# KiCad board AmigaPCI 68040.kicad_pcb
title: AmigaPCI-040 Local Bus Card; date: 2025-04-03; rev: 4.2
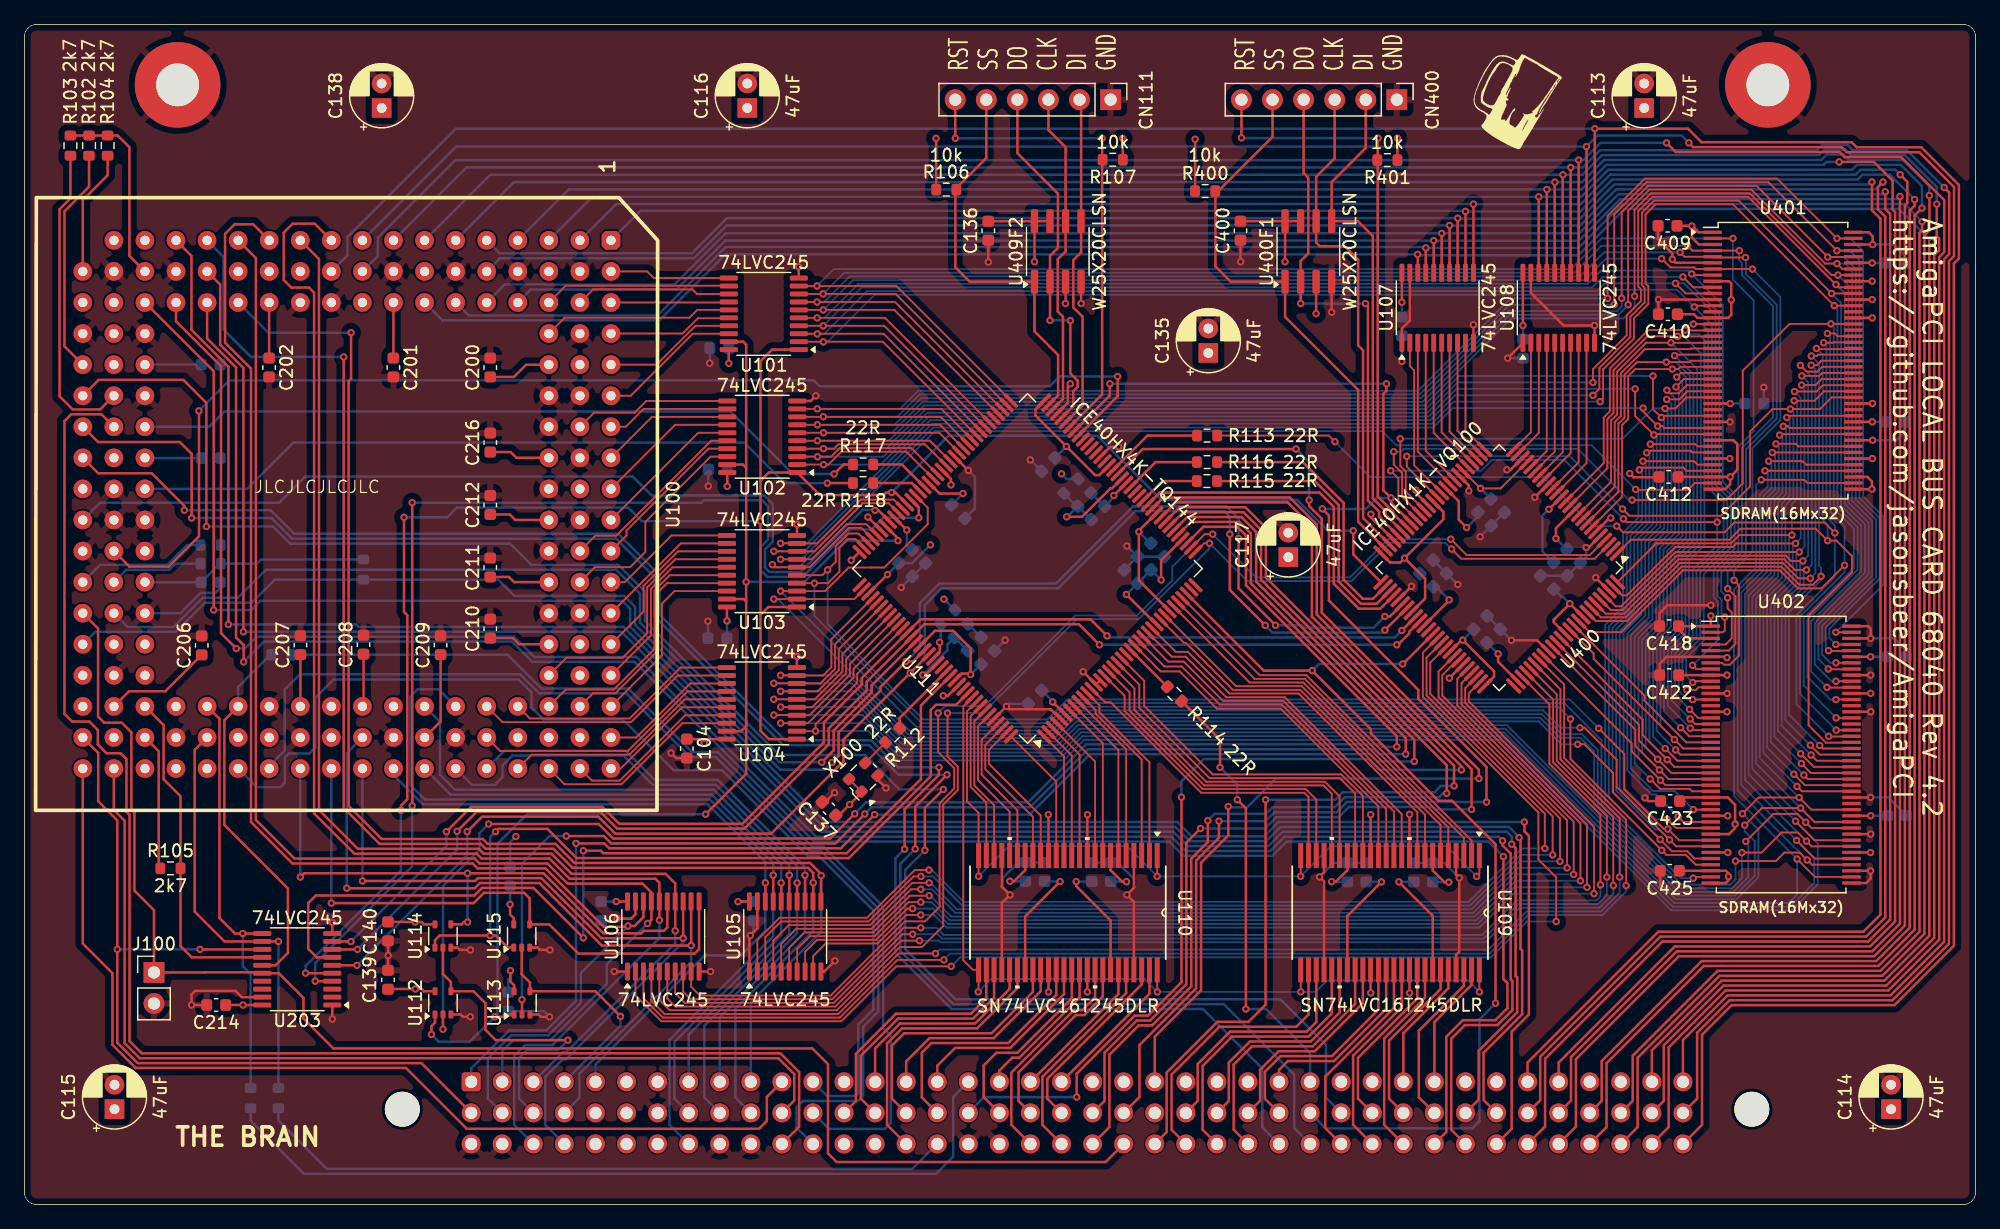
[diagram p0: board, top side]
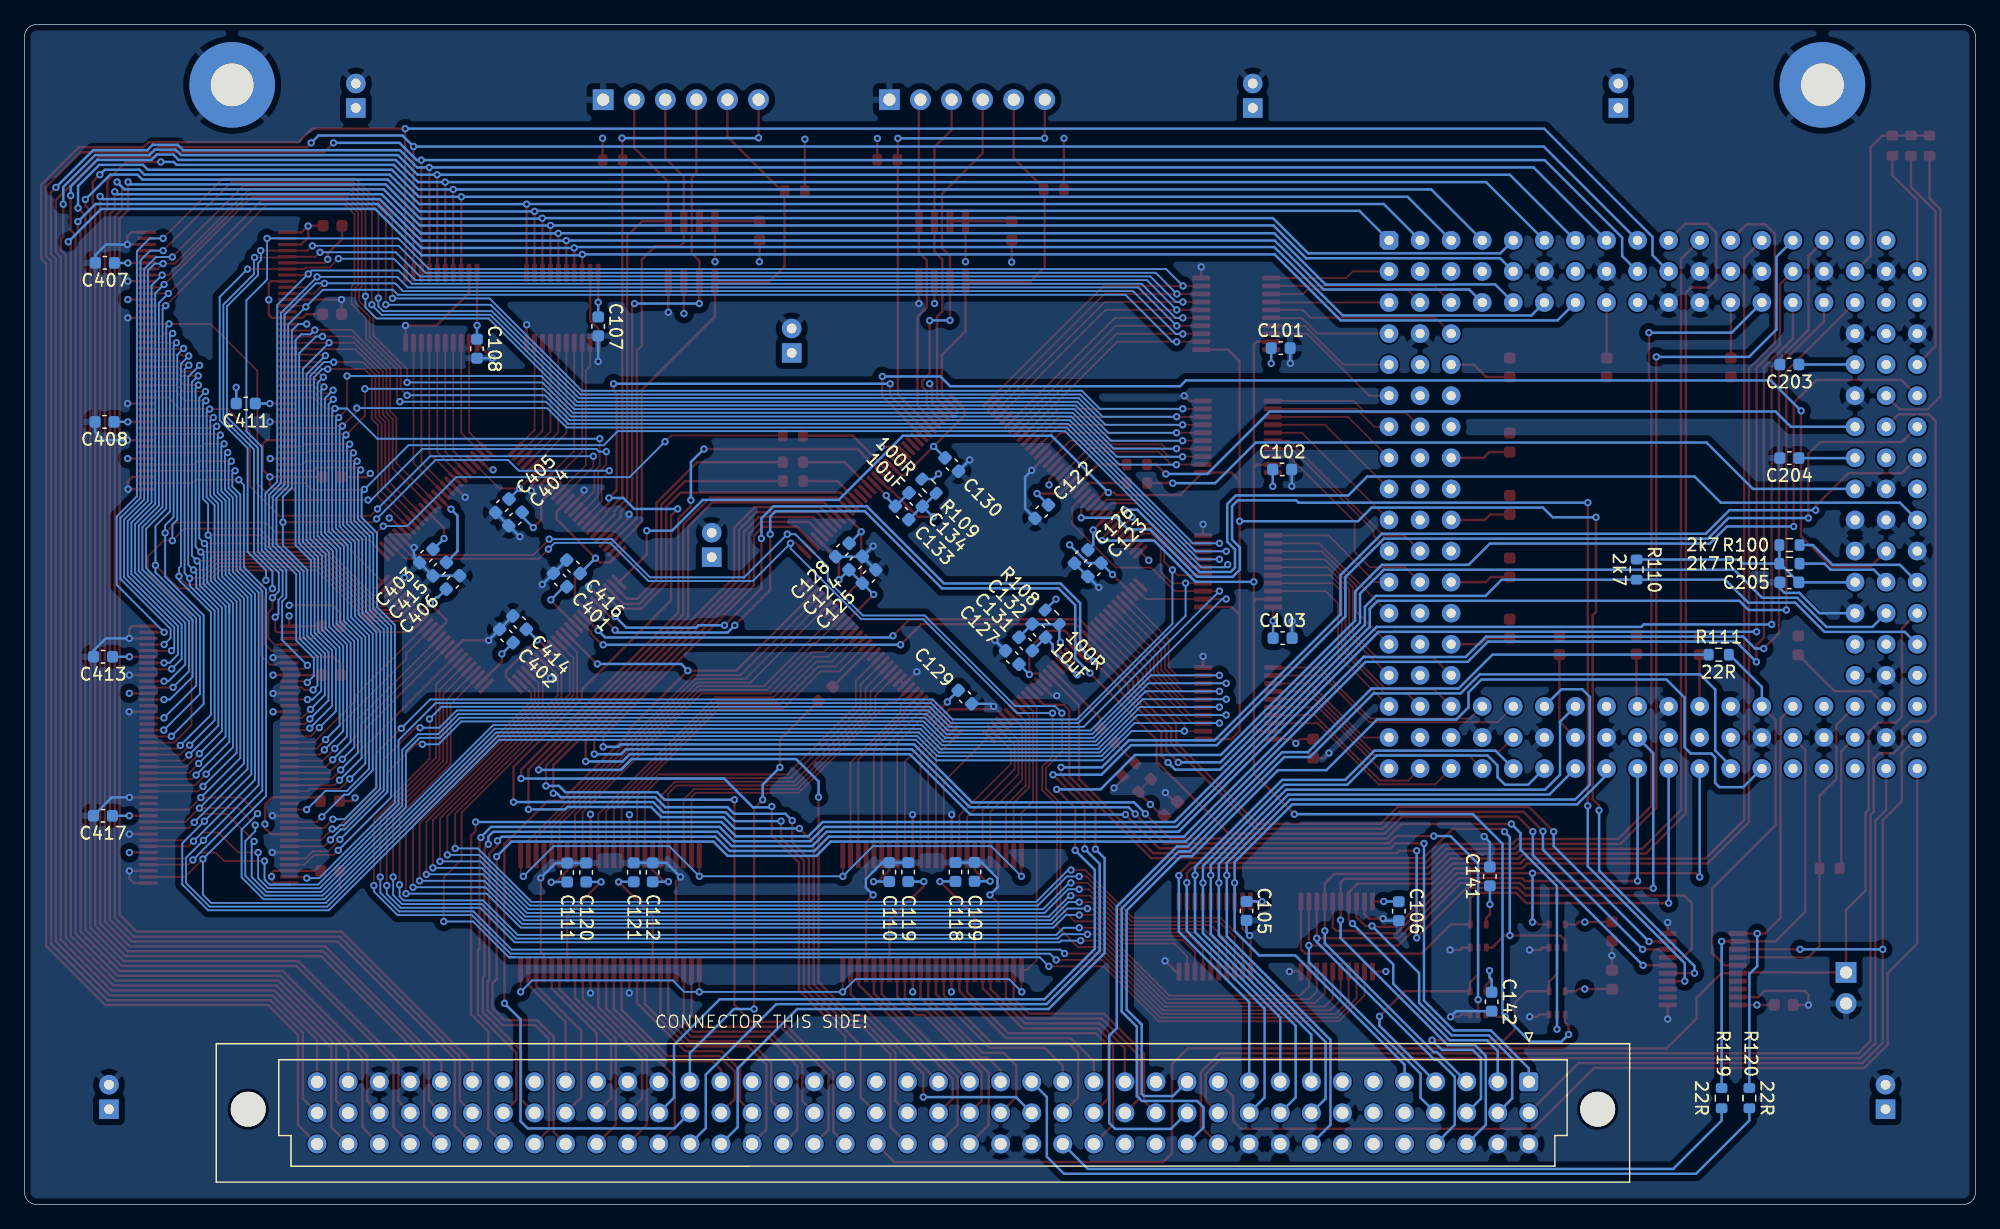
[diagram p1: board, bottom side, seen from below]

Outline 159.5 x 96.47 mm; copper layers: Top, In1.Cu, In2.Cu, In3.Cu, In4.Cu, Bottom. Coordinates in mm from the lower left corner of the outline.
Outline path: 0,0.99 0,95.47 arc(0.29,96.18) 0.99,96.47 158.5,96.47 arc(159.2,96.18) 159.5,95.48 159.5,1 arc(159.21,0.3) 158.5,0 1,0 arc(0.29,0.29) 0,0.99
Stack: Top 0.035mm / dielectric 0.1mm FR4 er 4.5 / In1.Cu 0.035mm / dielectric 0.535mm FR4 er 4.5 / In2.Cu 0.035mm / dielectric 0.1mm FR4 er 4.5 / In3.Cu 0.035mm / dielectric 0.535mm FR4 er 4.5 / In4.Cu 0.035mm / dielectric 0.1mm FR4 er 4.5 / Bottom 0.035mm

## Placement (name value [footprint] x y rotation side)
C101  0.1uF  [C_0603_1608Metric]  56.8 70.01 180 bottom
C102  0.1uF  [C_0603_1608Metric]  56.68 60.09 180 bottom
C103  0.1uF  [C_0603_1608Metric]  56.65 46.3 180 bottom
C104  0.1uF  [C_0603_1608Metric]  54.15 37.27 270 top
C105  0.1uF  [C_0603_1608Metric]  59.6 24 270 bottom
C106  0.1uF  [C_0603_1608Metric]  47.15 23.98 270 bottom
C107  0.1uF  [C_0603_1608Metric]  112.6 71.79 270 bottom
C108  0.1uF  [C_0603_1608Metric]  122.51 69.96 270 bottom
C109  0.1uF  [C_0603_1608Metric]  81.83 27.2 90 bottom
C110  0.1uF  [C_0603_1608Metric]  88.8 27.18 90 bottom
C111  0.1uF  [C_0603_1608Metric]  115.13 27.14 90 bottom
C112  0.1uF  [C_0603_1608Metric]  108.15 27.16 90 bottom
C113  47uF  [CP_Radial_D5.0mm_P2.00mm]  132.41 89.64 90 top
C114  47uF  [CP_Radial_D5.0mm_P2.00mm]  152.59 7.79 90 top
C115  47uF  [CP_Radial_D5.0mm_P2.00mm]  7.36 7.79 90 top
C116  47uF  [CP_Radial_D5.0mm_P2.00mm]  59.09 89.64 90 top
C117  47uF  [CP_Radial_D5.0mm_P2.00mm]  103.32 52.92 90 top
C118  0.1uF  [C_0603_1608Metric]  83.39 27.19 90 bottom
C119  0.1uF  [C_0603_1608Metric]  87.26 27.18 90 bottom
C120  0.1uF  [C_0603_1608Metric]  113.58 27.15 90 bottom
C121  0.1uF  [C_0603_1608Metric]  109.69 27.16 90 bottom
C122  0.1uF  [C_0603_1608Metric]  76.34 56.64 315 bottom
C123  0.1uF  [C_0603_1608Metric]  72.03 51.89 315 bottom
C124  0.1uF  [C_0603_1608Metric]  91.55 52.43 135 bottom
C125  0.1uF  [C_0603_1608Metric]  90.46 51.33 135 bottom
C126  0.1uF  [C_0603_1608Metric]  73.11 52.97 315 bottom
C127  0.1uF  [C_0603_1608Metric]  78.74 44.72 45 bottom
C128  0.1uF  [C_0603_1608Metric]  92.63 53.51 315 bottom
C129  0.1uF  [C_0603_1608Metric]  82.61 41.48 225 bottom
C130  0.1uF  [C_0603_1608Metric]  83.69 60.49 225 bottom
C131  0.1uF  [C_0603_1608Metric]  77.65 45.82 225 bottom
C132  10uF  [C_0603_1608Metric]  76.57 46.91 225 bottom
C133  0.1uF  [C_0603_1608Metric]  87.76 56.54 45 bottom
C134  10uF  [C_0603_1608Metric]  86.65 57.63 45 bottom
C135  47uF  [CP_Radial_D5.0mm_P2.00mm]  96.78 69.62 90 top
C136  0.1uF  [C_0603_1608Metric]  78.79 79.61 90 top
C137  0.1uF  [C_0603_1608Metric]  65.77 32.36 135 top
C138  47uF  [CP_Radial_D5.0mm_P2.00mm]  29.2 89.64 90 top
C139  0.1uF  [C_0603_1608Metric]  29.72 18.37 90 top
C140  0.1uF  [C_0603_1608Metric]  29.72 22.33 270 top
C141  0.1uF  [C_0603_1608Metric]  39.71 26.83 90 bottom
C142  0.1uF  [C_0603_1608Metric]  39.56 16.58 270 bottom
C200  0.1uF  [C_0603_1608Metric]  38.08 68.43 90 top
C201  0.1uF  [C_0603_1608Metric]  30.16 68.43 270 top
C202  0.1uF  [C_0603_1608Metric]  20 68.43 270 top
C203  0.1uF  [C_0603_1608Metric]  15.22 68.67 0 bottom
C204  0.1uF  [C_0603_1608Metric]  15.22 61.02 0 bottom
C205  0.1uF  [C_0603_1608Metric]  15.22 50.86 0 bottom
C206  0.1uF  [C_0603_1608Metric]  14.49 45.71 90 top
C207  0.1uF  [C_0603_1608Metric]  22.56 45.73 90 top
C208  0.1uF  [C_0603_1608Metric]  27.72 45.77 90 top
C209  0.1uF  [C_0603_1608Metric]  34.02 45.73 90 top
C210  0.1uF  [C_0603_1608Metric]  38.08 47.08 90 top
C211  0.1uF  [C_0603_1608Metric]  38.08 52.08 90 top
C212  0.1uF  [C_0603_1608Metric]  38.08 57.19 90 top
C214  0.1uF  [C_0603_1608Metric]  15.67 16.31 180 top
C216  0.1uF  [C_0603_1608Metric]  38.08 62.29 90 top
C400  0.1uF  [C_0603_1608Metric]  99.41 79.61 90 top
C401  0.1uF  [C_0603_1608Metric]  115.71 51.05 45 bottom
C402  0.1uF  [C_0603_1608Metric]  120.1 46.48 45 bottom
C403  0.1uF  [C_0603_1608Metric]  126.65 53.01 315 bottom
C404  0.1uF  [C_0603_1608Metric]  119.37 56.04 315 bottom
C405  0.1uF  [C_0603_1608Metric]  120.44 57.12 315 bottom
C406  0.1uF  [C_0603_1608Metric]  124.47 50.86 135 bottom
C407  0.1uF  [C_0603_1608Metric]  152.92 76.98 0 bottom
C408  0.1uF  [C_0603_1608Metric]  152.95 63.98 0 bottom
C409  0.1uF  [C_0603_1608Metric]  134.32 80.01 180 top
C410  0.1uF  [C_0603_1608Metric]  134.35 72.78 180 top
C411  0.1uF  [C_0603_1608Metric]  141.41 65.48 0 bottom
C412  0.1uF  [C_0603_1608Metric]  134.4 59.48 180 top
C413  0.1uF  [C_0603_1608Metric]  153.07 44.78 0 bottom
C414  0.1uF  [C_0603_1608Metric]  119.02 47.57 45 bottom
C415  0.1uF  [C_0603_1608Metric]  125.56 51.94 315 bottom
C416  0.1uF  [C_0603_1608Metric]  114.62 52.13 45 bottom
C417  0.1uF  [C_0603_1608Metric]  153.08 31.78 0 bottom
C418  0.1uF  [C_0603_1608Metric]  134.44 47.28 180 top
C422  0.1uF  [C_0603_1608Metric]  134.45 43.28 180 top
C423  0.1uF  [C_0603_1608Metric]  134.53 32.98 180 top
C425  0.1uF  [C_0603_1608Metric]  134.5 27.28 180 top
CN100  DIN41612_03x40  [DIN41612_R_3x40_Male_Vertical_THT]  36.52 10.03 270 bottom
CN111  SPI  [PinHeader_1x06_P2.54mm_Vertical]  88.79 90.32 270 top
CN400  SPI  [PinHeader_1x06_P2.54mm_Vertical]  112.19 90.32 270 top
G***  LOGO  [Mug]  121.49 90.59 0 top
H1  MountingHole_Pad  [MountingHole_3.5mm_Pad]  12.52 91.53 0 top
H2  MountingHole_Pad  [MountingHole_3.5mm_Pad]  142.52 91.53 0 top
J100  _BG ASSERT  [PinHeader_1x02_P2.54mm_Vertical]  10.59 18.97 0 top
R100  2k7  [R_0603_1608Metric]  15.21 53.91 180 bottom
R101  2k7  [R_0603_1608Metric]  15.21 52.39 180 bottom
R102  2k7  [R_0603_1608Metric]  5.28 86.57 270 top
R103  2k7  [R_0603_1608Metric]  3.76 86.57 270 top
R104  2k7  [R_0603_1608Metric]  6.8 86.57 270 top
R105  2k7  [R_0603_1608Metric]  11.93 27.48 0 top
R106  10k  [R_0603_1608Metric]  75.35 82.97 0 top
R107  10k  [R_0603_1608Metric]  88.96 85.41 180 top
R108  100R  [R_0603_1608Metric]  75.48 48.01 45 bottom
R109  100R  [R_0603_1608Metric]  85.55 58.73 225 bottom
R110  2k7  [R_0603_1608Metric]  27.71 51.91 270 bottom
R111  22R  [R_0603_1608Metric]  20.99 44.95 180 bottom
R112  22R  [R_0603_1608Metric]  70.97 38.37 225 top
R113  22R  [R_0603_1608Metric]  96.68 62.86 0 top
R114  22R  [R_0603_1608Metric]  94.01 41.74 315 top
R115  22R  [R_0603_1608Metric]  96.66 59.14 0 top
R116  22R  [R_0603_1608Metric]  96.67 60.69 0 top
R117  22R  [R_0603_1608Metric]  68.56 60.5 180 top
R118  22R  [R_0603_1608Metric]  68.55 58.98 180 top
R119  22R  [R_0603_1608Metric]  20.76 8.7 90 bottom
R120  22R  [R_0603_1608Metric]  18.49 8.7 90 bottom
R400  10k  [R_0603_1608Metric]  96.52 82.85 0 top
R401  10k  [R_0603_1608Metric]  111.41 85.38 180 top
U100  MC68040  [PGA179]  26.36 57.23 90 top
U101  74LVC245  [TSSOP-20_4.4x6.5mm_P0.65mm]  60.44 72.81 180 top
U102  74LVC245  [TSSOP-20_4.4x6.5mm_P0.65mm]  60.32 62.77 180 top
U103  74LVC245  [TSSOP-20_4.4x6.5mm_P0.65mm]  60.29 51.77 180 top
U104  74LVC245  [TSSOP-20_4.4x6.5mm_P0.65mm]  60.28 40.97 180 top
U105  74LVC245  [TSSOP-20_4.4x6.5mm_P0.65mm]  62.19 21.91 90 top
U106  74LVC245  [TSSOP-20_4.4x6.5mm_P0.65mm]  52.22 21.91 90 top
U107  74LVC245  [TSSOP-20_4.4x6.5mm_P0.65mm]  115.53 73.31 90 top
U108  74LVC245  [TSSOP-20_4.4x6.5mm_P0.65mm]  125.42 73.31 90 top
U109  SN74LVC16T245DLR  [48-BSSOP]  111.64 23.86 270 top
U110  SN74LVC16T245DLR  [48-BSSOP]  85.3 23.86 270 top
U111  ICE40HX4K-TQ144  [LQFP-144_20x20mm_P0.5mm]  82 51.99 135 top
U112  74LVC1G125  [SOT-353_SC-70-5]  34.21 16.49 90 top
U113  74LVC1G125  [SOT-353_SC-70-5]  40.67 16.49 90 top
U114  74LVC1G125  [SOT-353_SC-70-5]  34.21 21.95 90 top
U115  74LVC1G125  [SOT-353_SC-70-5]  40.65 21.95 90 top
U203  74LVC245  [TSSOP-20_4.4x6.5mm_P0.65mm]  22.3 19.23 180 top
U400  ICE40HX1K-VQ100  [LQFP-100_14x14mm_P0.5mm]  120.56 52.06 225 top
U400F1  W25X20CLSN  [SOIC-8_3.9x4.9mm_P1.27mm]  104.96 77.92 90 top
U401  SDRAM(16Mx32)  [TSOP-II-86]  143.76 68.98 0 top
U402  SDRAM(16Mx32)  [TSOP-II-86]  143.61 36.78 0 top
U409F2  W25X20CLSN  [SOIC-8_3.9x4.9mm_P1.27mm]  84.47 77.92 90 top
X100  40MHz  [Oscillator_SMD_ECS_2520MV-xxx-xx-4Pin_2.5x2.0mm]  68.57 34.92 135 top

## Library data of the parts
C101-C112 C118-C134 C136 C137 C139-C142 C200-C212 C214 C216 C400-C418 C422 C423 C425 = -: ki_fp_filters: C_*
C113-C117 C135 C138 = -: ki_fp_filters: CP_*
CN100 = -: Description: DIN41612 connector, three row, 03x40; ki_fp_filters: DIN41612*2x*
CN111 CN400 = -: ki_fp_filters: Connector*:*_1x??_*
H1 H2 = -: Description: Mounting Hole with connection; ki_fp_filters: MountingHole*Pad*
J100 = -: Description: Jumper, 2-pole, closed/bridged; ki_fp_filters: Jumper* TestPoint*2Pads* TestPoint*Bridge*
R100-R120 R400 R401 = -: ki_fp_filters: R_*
U101-U108 U203 = -: Datasheet: http://www.ti.com/lit/gpn/sn74LS245; Description: Octal BUS Transceivers, 3-State outputs; ki_fp_filters: DIP?20*
U109 U110 = -: ki_fp_filters: DL48 DL48-M DL48-L
U111 = -: Description: IC FPGA 107 I/O 144TQFP; MF: Lattice Semiconductor; Package: TQFP-144 Lattice Semiconductor; Price: None; Availability: Unavailable
U112-U115 = -: Datasheet: https://www.ti.com/lit/ds/symlink/sn74lvc1g125.pdf; Description: Single Buffer Gate Tri-State, Low-Voltage CMOS; PartNum: SN74LVC1G125DBVR; ki_fp_filters: SOT?23* Texas?R-PDSO-G5?DCK* Texas?R-PDSO-N5?DRL* Texas?X2SON*0.8x0.8mm*P0.48mm*
U400 = -: PARTREV: 3.4; STANDARD: IPC 7351B; MANUFACTURER: LATTICE SEMICONDUCTOR; PACKAGE: QFP-100
U400F1 U409F2 = -: Datasheet: https://www.winbond.com/resource-files/w25x20cl_revf%2020150806.pdf; ki_fp_filters: SOIC*3.9x4.9mm*P1.27mm*
U401 U402 = -: Datasheet: https://www.issi.com/WW/pdf/42-45R-S-32160F.pdf; Description: 16M x 32 bit Synchronous DRAM (SDRAM), TSOP II 86pin
X100 = -: Datasheet: http://cdn-reichelt.de/documents/datenblatt/B400/XO32.pdf; ki_fp_filters: Oscillator*SMD*EuroQuartz*XO32*3.2x2.5mm*

## Footprints (pads in the part's own frame, mm; a bottom-side part is the same pattern mirrored in y, then rotated)
48-BSSOP
  rect 2.045x0.406 smd: 1(-4.667,7.303) 2(-4.667,6.668) 3(-4.667,6.032) 4(-4.667,5.397) 5(-4.667,4.763) 6(-4.667,4.128) 7(-4.667,3.493) 8(-4.667,2.857) 9(-4.667,2.223) 10(-4.667,1.587) 11(-4.667,0.953) 12(-4.667,0.318) 13(-4.667,-0.318) 14(-4.667,-0.953) 15(-4.667,-1.587) 16(-4.667,-2.223) 17(-4.667,-2.857) 18(-4.667,-3.493) 19(-4.667,-4.128) 20(-4.667,-4.763) 21(-4.667,-5.397) 22(-4.667,-6.032) 23(-4.667,-6.668) 24(-4.667,-7.303) 25(4.667,-7.303) 26(4.667,-6.668) 27(4.667,-6.032) 28(4.667,-5.397) 29(4.667,-4.763) 30(4.667,-4.128) 31(4.667,-3.493) 32(4.667,-2.857) 33(4.667,-2.223) 34(4.667,-1.587) 35(4.667,-0.953) 36(4.667,-0.318) 37(4.667,0.318) 38(4.667,0.953) 39(4.667,1.587) 40(4.667,2.223) 41(4.667,2.857) 42(4.667,3.493) 43(4.667,4.128) 44(4.667,4.763) 45(4.667,5.397) 46(4.667,6.032) 47(4.667,6.668) 48(4.667,7.303)
C_0603_1608Metric
  rrect 0.9x0.95 smd: 1(-0.775,0) 2(0.775,0)
CP_Radial_D5.0mm_P2.00mm
  rect 1.6x1.6 hole 0.8: 1(0,0)
  round 1.6 hole 0.8: 2(2,0)
DIN41612_R_3x40_Male_Vertical_THT
  round 2.85 hole 2.85 unplated: (2.24,-104.69) (2.24,5.63)
  rrect 1.55x1.55 hole 1: a1(0,0)
  round 1.55 hole 1: a2(0,-2.54) a3(0,-5.08) a4(0,-7.62) a5(0,-10.16) a6(0,-12.7) a7(0,-15.24) a8(0,-17.78) a9(0,-20.32) a10(0,-22.86) a11(0,-25.4) a12(0,-27.94) a13(0,-30.48) a14(0,-33.02) a15(0,-35.56) a16(0,-38.1) a17(0,-40.64) a18(0,-43.18) a19(0,-45.72) a20(0,-48.26) a21(0,-50.8) a22(0,-53.34) a23(0,-55.88) a24(0,-58.42) a25(0,-60.96) a26(0,-63.5) a27(0,-66.04) a28(0,-68.58) a29(0,-71.12) a30(0,-73.66) a31(0,-76.2) a32(0,-78.74) a33(0,-81.28) a34(0,-83.82) a35(0,-86.36) a36(0,-88.9) a37(0,-91.44) a38(0,-93.98) a39(0,-96.52) a40(0,-99.06) b1(2.54,0) b2(2.54,-2.54) b3(2.54,-5.08) b4(2.54,-7.62) b5(2.54,-10.16) b6(2.54,-12.7) b7(2.54,-15.24) b8(2.54,-17.78) b9(2.54,-20.32) b10(2.54,-22.86) b11(2.54,-25.4) b12(2.54,-27.94) b13(2.54,-30.48) b14(2.54,-33.02) b15(2.54,-35.56) b16(2.54,-38.1) b17(2.54,-40.64) b18(2.54,-43.18) b19(2.54,-45.72) b20(2.54,-48.26) b21(2.54,-50.8) b22(2.54,-53.34) b23(2.54,-55.88) b24(2.54,-58.42) b25(2.54,-60.96) b26(2.54,-63.5) b27(2.54,-66.04) b28(2.54,-68.58) b29(2.54,-71.12) b30(2.54,-73.66) b31(2.54,-76.2) b32(2.54,-78.74) b33(2.54,-81.28) b34(2.54,-83.82) b35(2.54,-86.36) b36(2.54,-88.9) b37(2.54,-91.44) b38(2.54,-93.98) b39(2.54,-96.52) b40(2.54,-99.06) c1(5.08,0) c2(5.08,-2.54) c3(5.08,-5.08) c4(5.08,-7.62) c5(5.08,-10.16) c6(5.08,-12.7) c7(5.08,-15.24) c8(5.08,-17.78) c9(5.08,-20.32) c10(5.08,-22.86) c11(5.08,-25.4) c12(5.08,-27.94) c13(5.08,-30.48) c14(5.08,-33.02) c15(5.08,-35.56) c16(5.08,-38.1) c17(5.08,-40.64) c18(5.08,-43.18) c19(5.08,-45.72) c20(5.08,-48.26) c21(5.08,-50.8) c22(5.08,-53.34) c23(5.08,-55.88) c24(5.08,-58.42) c25(5.08,-60.96) c26(5.08,-63.5) c27(5.08,-66.04) c28(5.08,-68.58) c29(5.08,-71.12) c30(5.08,-73.66) c31(5.08,-76.2) c32(5.08,-78.74) c33(5.08,-81.28) c34(5.08,-83.82) c35(5.08,-86.36) c36(5.08,-88.9) c37(5.08,-91.44) c38(5.08,-93.98) c39(5.08,-96.52) c40(5.08,-99.06)
LQFP-100_14x14mm_P0.5mm
  rrect 1.6x0.3 smd: 1(-7.675,6) 2(-7.675,5.5) 3(-7.675,5) 4(-7.675,4.5) 5(-7.675,4) 6(-7.675,3.5) 7(-7.675,3) 8(-7.675,2.5) 9(-7.675,2) 10(-7.675,1.5) 11(-7.675,1) 12(-7.675,0.5) 13(-7.675,0) 14(-7.675,-0.5) 15(-7.675,-1) 16(-7.675,-1.5) 17(-7.675,-2) 18(-7.675,-2.5) 19(-7.675,-3) 20(-7.675,-3.5) 21(-7.675,-4) 22(-7.675,-4.5) 23(-7.675,-5) 24(-7.675,-5.5) 25(-7.675,-6) 51(7.675,-6) 52(7.675,-5.5) 53(7.675,-5) 54(7.675,-4.5) 55(7.675,-4) 56(7.675,-3.5) 57(7.675,-3) 58(7.675,-2.5) 59(7.675,-2) 60(7.675,-1.5) 61(7.675,-1) 62(7.675,-0.5) 63(7.675,0) 64(7.675,0.5) 65(7.675,1) 66(7.675,1.5) 67(7.675,2) 68(7.675,2.5) 69(7.675,3) 70(7.675,3.5) 71(7.675,4) 72(7.675,4.5) 73(7.675,5) 74(7.675,5.5) 75(7.675,6)
  rrect 0.3x1.6 smd: 26(-6,-7.675) 27(-5.5,-7.675) 28(-5,-7.675) 29(-4.5,-7.675) 30(-4,-7.675) 31(-3.5,-7.675) 32(-3,-7.675) 33(-2.5,-7.675) 34(-2,-7.675) 35(-1.5,-7.675) 36(-1,-7.675) 37(-0.5,-7.675) 38(0,-7.675) 39(0.5,-7.675) 40(1,-7.675) 41(1.5,-7.675) 42(2,-7.675) 43(2.5,-7.675) 44(3,-7.675) 45(3.5,-7.675) 46(4,-7.675) 47(4.5,-7.675) 48(5,-7.675) 49(5.5,-7.675) 50(6,-7.675) 76(6,7.675) 77(5.5,7.675) 78(5,7.675) 79(4.5,7.675) 80(4,7.675) 81(3.5,7.675) 82(3,7.675) 83(2.5,7.675) 84(2,7.675) 85(1.5,7.675) 86(1,7.675) 87(0.5,7.675) 88(0,7.675) 89(-0.5,7.675) 90(-1,7.675) 91(-1.5,7.675) 92(-2,7.675) 93(-2.5,7.675) 94(-3,7.675) 95(-3.5,7.675) 96(-4,7.675) 97(-4.5,7.675) 98(-5,7.675) 99(-5.5,7.675) 100(-6,7.675)
LQFP-144_20x20mm_P0.5mm
  rrect 1.475x0.3 smd: 1(-10.662,8.75) 2(-10.662,8.25) 3(-10.663,7.75) 4(-10.662,7.25) 5(-10.662,6.75) 6(-10.662,6.25) 7(-10.662,5.75) 8(-10.662,5.25) 9(-10.662,4.75) 10(-10.662,4.25) 11(-10.662,3.75) 12(-10.662,3.25) 13(-10.662,2.75) 14(-10.662,2.25) 15(-10.662,1.75) 16(-10.663,1.25) 17(-10.662,0.75) 18(-10.662,0.25) 19(-10.662,-0.25) 20(-10.662,-0.75) 21(-10.663,-1.25) 22(-10.662,-1.75) 23(-10.662,-2.25) 24(-10.662,-2.75) 25(-10.662,-3.25) 26(-10.662,-3.75) 27(-10.662,-4.25) 28(-10.662,-4.75) 29(-10.662,-5.25) 30(-10.662,-5.75) 31(-10.662,-6.25) 32(-10.662,-6.75) 33(-10.662,-7.25) 34(-10.663,-7.75) 35(-10.662,-8.25) 36(-10.662,-8.75) 73(10.662,-8.75) 74(10.662,-8.25) 75(10.663,-7.75) 76(10.662,-7.25) 77(10.662,-6.75) 78(10.662,-6.25) 79(10.662,-5.75) 80(10.662,-5.25) 81(10.662,-4.75) 82(10.662,-4.25) 83(10.662,-3.75) 84(10.662,-3.25) 85(10.662,-2.75) 86(10.662,-2.25) 87(10.662,-1.75) 88(10.663,-1.25) 89(10.662,-0.75) 90(10.662,-0.25) 91(10.662,0.25) 92(10.662,0.75) 93(10.663,1.25) 94(10.662,1.75) 95(10.662,2.25) 96(10.662,2.75) 97(10.662,3.25) 98(10.662,3.75) 99(10.662,4.25) 100(10.662,4.75) 101(10.662,5.25) 102(10.662,5.75) 103(10.662,6.25) 104(10.662,6.75) 105(10.662,7.25) 106(10.663,7.75) 107(10.662,8.25) 108(10.662,8.75)
  rrect 0.3x1.475 smd: 37(-8.75,-10.662) 38(-8.25,-10.662) 39(-7.75,-10.663) 40(-7.25,-10.662) 41(-6.75,-10.662) 42(-6.25,-10.662) 43(-5.75,-10.662) 44(-5.25,-10.662) 45(-4.75,-10.662) 46(-4.25,-10.662) 47(-3.75,-10.662) 48(-3.25,-10.662) 49(-2.75,-10.662) 50(-2.25,-10.662) 51(-1.75,-10.662) 52(-1.25,-10.663) 53(-0.75,-10.662) 54(-0.25,-10.662) 55(0.25,-10.662) 56(0.75,-10.662) 57(1.25,-10.663) 58(1.75,-10.662) 59(2.25,-10.662) 60(2.75,-10.662) 61(3.25,-10.662) 62(3.75,-10.662) 63(4.25,-10.662) 64(4.75,-10.662) 65(5.25,-10.662) 66(5.75,-10.662) 67(6.25,-10.662) 68(6.75,-10.662) 69(7.25,-10.662) 70(7.75,-10.663) 71(8.25,-10.662) 72(8.75,-10.662) 109(8.75,10.662) 110(8.25,10.662) 111(7.75,10.663) 112(7.25,10.662) 113(6.75,10.662) 114(6.25,10.662) 115(5.75,10.662) 116(5.25,10.662) 117(4.75,10.662) 118(4.25,10.662) 119(3.75,10.662) 120(3.25,10.662) 121(2.75,10.662) 122(2.25,10.662) 123(1.75,10.662) 124(1.25,10.663) 125(0.75,10.662) 126(0.25,10.662) 127(-0.25,10.662) 128(-0.75,10.662) 129(-1.25,10.663) 130(-1.75,10.662) 131(-2.25,10.662) 132(-2.75,10.662) 133(-3.25,10.662) 134(-3.75,10.662) 135(-4.25,10.662) 136(-4.75,10.662) 137(-5.25,10.662) 138(-5.75,10.662) 139(-6.25,10.662) 140(-6.75,10.662) 141(-7.25,10.662) 142(-7.75,10.663) 143(-8.25,10.662) 144(-8.75,10.662)
MountingHole_3.5mm_Pad
  round 7 hole 3.5: 1(0,0)
Oscillator_SMD_ECS_2520MV-xxx-xx-4Pin_2.5x2.0mm
  rrect 0.8x0.9 smd: 1(-0.725,0.925) 2(-0.725,-0.925) 3(0.725,-0.925) 4(0.725,0.925)
PGA179
  rrect 1.524x1.524 hole 0.762: 1(21.59,-21.59)
  round 1.524 hole 0.762: 2(19.05,-21.59) 3(16.51,-21.59) 4(13.97,-21.59) 5(11.43,-21.59) 6(8.89,-21.59) 7(6.35,-21.59) 8(3.81,-21.59) 9(1.27,-21.59) 10(-1.27,-21.59) 11(-3.81,-21.59) 12(-6.35,-21.59) 13(-8.89,-21.59) 14(-11.43,-21.59) 15(-13.97,-21.59) 16(-16.51,-21.59) 17(-19.05,-21.59) 18(-21.59,-21.59) 19(21.59,-19.05) 20(19.05,-19.05) 21(16.51,-19.05) 22(13.97,-19.05) 23(11.43,-19.05) 24(8.89,-19.05) 25(6.35,-19.05) 26(3.81,-19.05) 27(1.27,-19.05) 28(-1.27,-19.05) 29(-3.81,-19.05) 30(-6.35,-19.05) 31(-8.89,-19.05) 32(-11.43,-19.05) 33(-13.97,-19.05) 34(-16.51,-19.05) 35(-19.05,-19.05) 36(-21.59,-19.05) 37(21.59,-16.51) 38(19.05,-16.51) 39(16.51,-16.51) 40(13.97,-16.51) 41(11.43,-16.51) 42(8.89,-16.51) 43(6.35,-16.51) 44(3.81,-16.51) 45(1.27,-16.51) 46(-1.27,-16.51) 47(-3.81,-16.51) 48(-6.35,-16.51) 49(-8.89,-16.51) 50(-11.43,-16.51) 51(-13.97,-16.51) 52(-16.51,-16.51) 53(-19.05,-16.51) 54(-21.59,-16.51) 55(21.59,-13.97) 56(19.05,-13.97) 57(16.51,-13.97) 58(-16.51,-13.97) 59(-19.05,-13.97) 60(-21.59,-13.97) 61(21.59,-11.43) 62(19.05,-11.43) 63(16.51,-11.43) 64(-16.51,-11.43) 65(-19.05,-11.43) 66(-21.59,-11.43) 67(21.59,-8.89) 68(19.05,-8.89) 69(16.51,-8.89) 70(-16.51,-8.89) 71(-19.05,-8.89) 72(-21.59,-8.89) 73(21.59,-6.35) 74(19.05,-6.35) 75(16.51,-6.35) 76(-16.51,-6.35) 77(-19.05,-6.35) 78(-21.59,-6.35) 79(21.59,-3.81) 80(19.05,-3.81) 81(16.51,-3.81) 82(-16.51,-3.81) 83(-19.05,-3.81) 84(-21.59,-3.81) 85(21.59,-1.27) 86(19.05,-1.27) 87(16.51,-1.27) 88(-16.51,-1.27) 89(-19.05,-1.27) 90(-21.59,-1.27) 91(21.59,1.27) 92(19.05,1.27) 93(16.51,1.27) 94(-16.51,1.27) 95(-19.05,1.27) 96(-21.59,1.27) 97(21.59,3.81) 98(19.05,3.81) 99(16.51,3.81) 100(-16.51,3.81) 101(-19.05,3.81) 102(-21.59,3.81) 103(21.59,6.35) 104(19.05,6.35) 105(16.51,6.35) 106(-16.51,6.35) 107(-19.05,6.35) 108(-21.59,6.35) 109(21.59,8.89) 110(19.05,8.89) 111(16.51,8.89) 112(-16.51,8.89) 113(-19.05,8.89) 114(-21.59,8.89) 115(21.59,11.43) 116(19.05,11.43) 117(16.51,11.43) 118(-16.51,11.43) 119(-19.05,11.43) 120(-21.59,11.43) 121(21.59,13.97) 122(19.05,13.97) 123(16.51,13.97) 124(-16.51,13.97) 125(-19.05,13.97) 126(-21.59,13.97) 127(21.59,16.51) 128(19.05,16.51) 129(16.51,16.51) 130(13.97,16.51) 131(11.43,16.51) 132(8.89,16.51) 133(6.35,16.51) 134(3.81,16.51) 135(1.27,16.51) 136(-1.27,16.51) 137(-3.81,16.51) 138(-6.35,16.51) 139(-8.89,16.51) 140(-11.43,16.51) 141(-13.97,16.51) 142(-16.51,16.51) 143(-19.05,16.51) 144(-21.59,16.51) 145(21.59,19.05) 146(19.05,19.05) 147(16.51,19.05) 148(13.97,19.05) 149(11.43,19.05) 150(8.89,19.05) 151(6.35,19.05) 152(3.81,19.05) 153(1.27,19.05) 154(-1.27,19.05) 155(-3.81,19.05) 156(-6.35,19.05) 157(-8.89,19.05) 158(-11.43,19.05) 159(-13.97,19.05) 160(-16.51,19.05) 161(-19.05,19.05) 162(-21.59,19.05) 163(19.05,21.59) 164(16.51,21.59) 165(13.97,21.59) 166(11.43,21.59) 167(8.89,21.59) 168(6.35,21.59) 169(3.81,21.59) 170(1.27,21.59) 171(-1.27,21.59) 172(-3.81,21.59) 173(-6.35,21.59) 174(-8.89,21.59) 175(-11.43,21.59) 176(-13.97,21.59) 177(-16.51,21.59) 178(-19.05,21.59) 179(-21.59,21.59)
PinHeader_1x02_P2.54mm_Vertical
  rect 1.7x1.7 hole 1: 1(0,0)
  oval 1.7x1.7 hole 1: 2(0,-2.54)
PinHeader_1x06_P2.54mm_Vertical
  rect 1.7x1.7 hole 1: 1(0,0)
  oval 1.7x1.7 hole 1: 2(0,-2.54) 3(0,-5.08) 4(0,-7.62) 5(0,-10.16) 6(0,-12.7)